# KiCad board serial-usbc-dip-7seg-clk.kicad_pcb (continued)
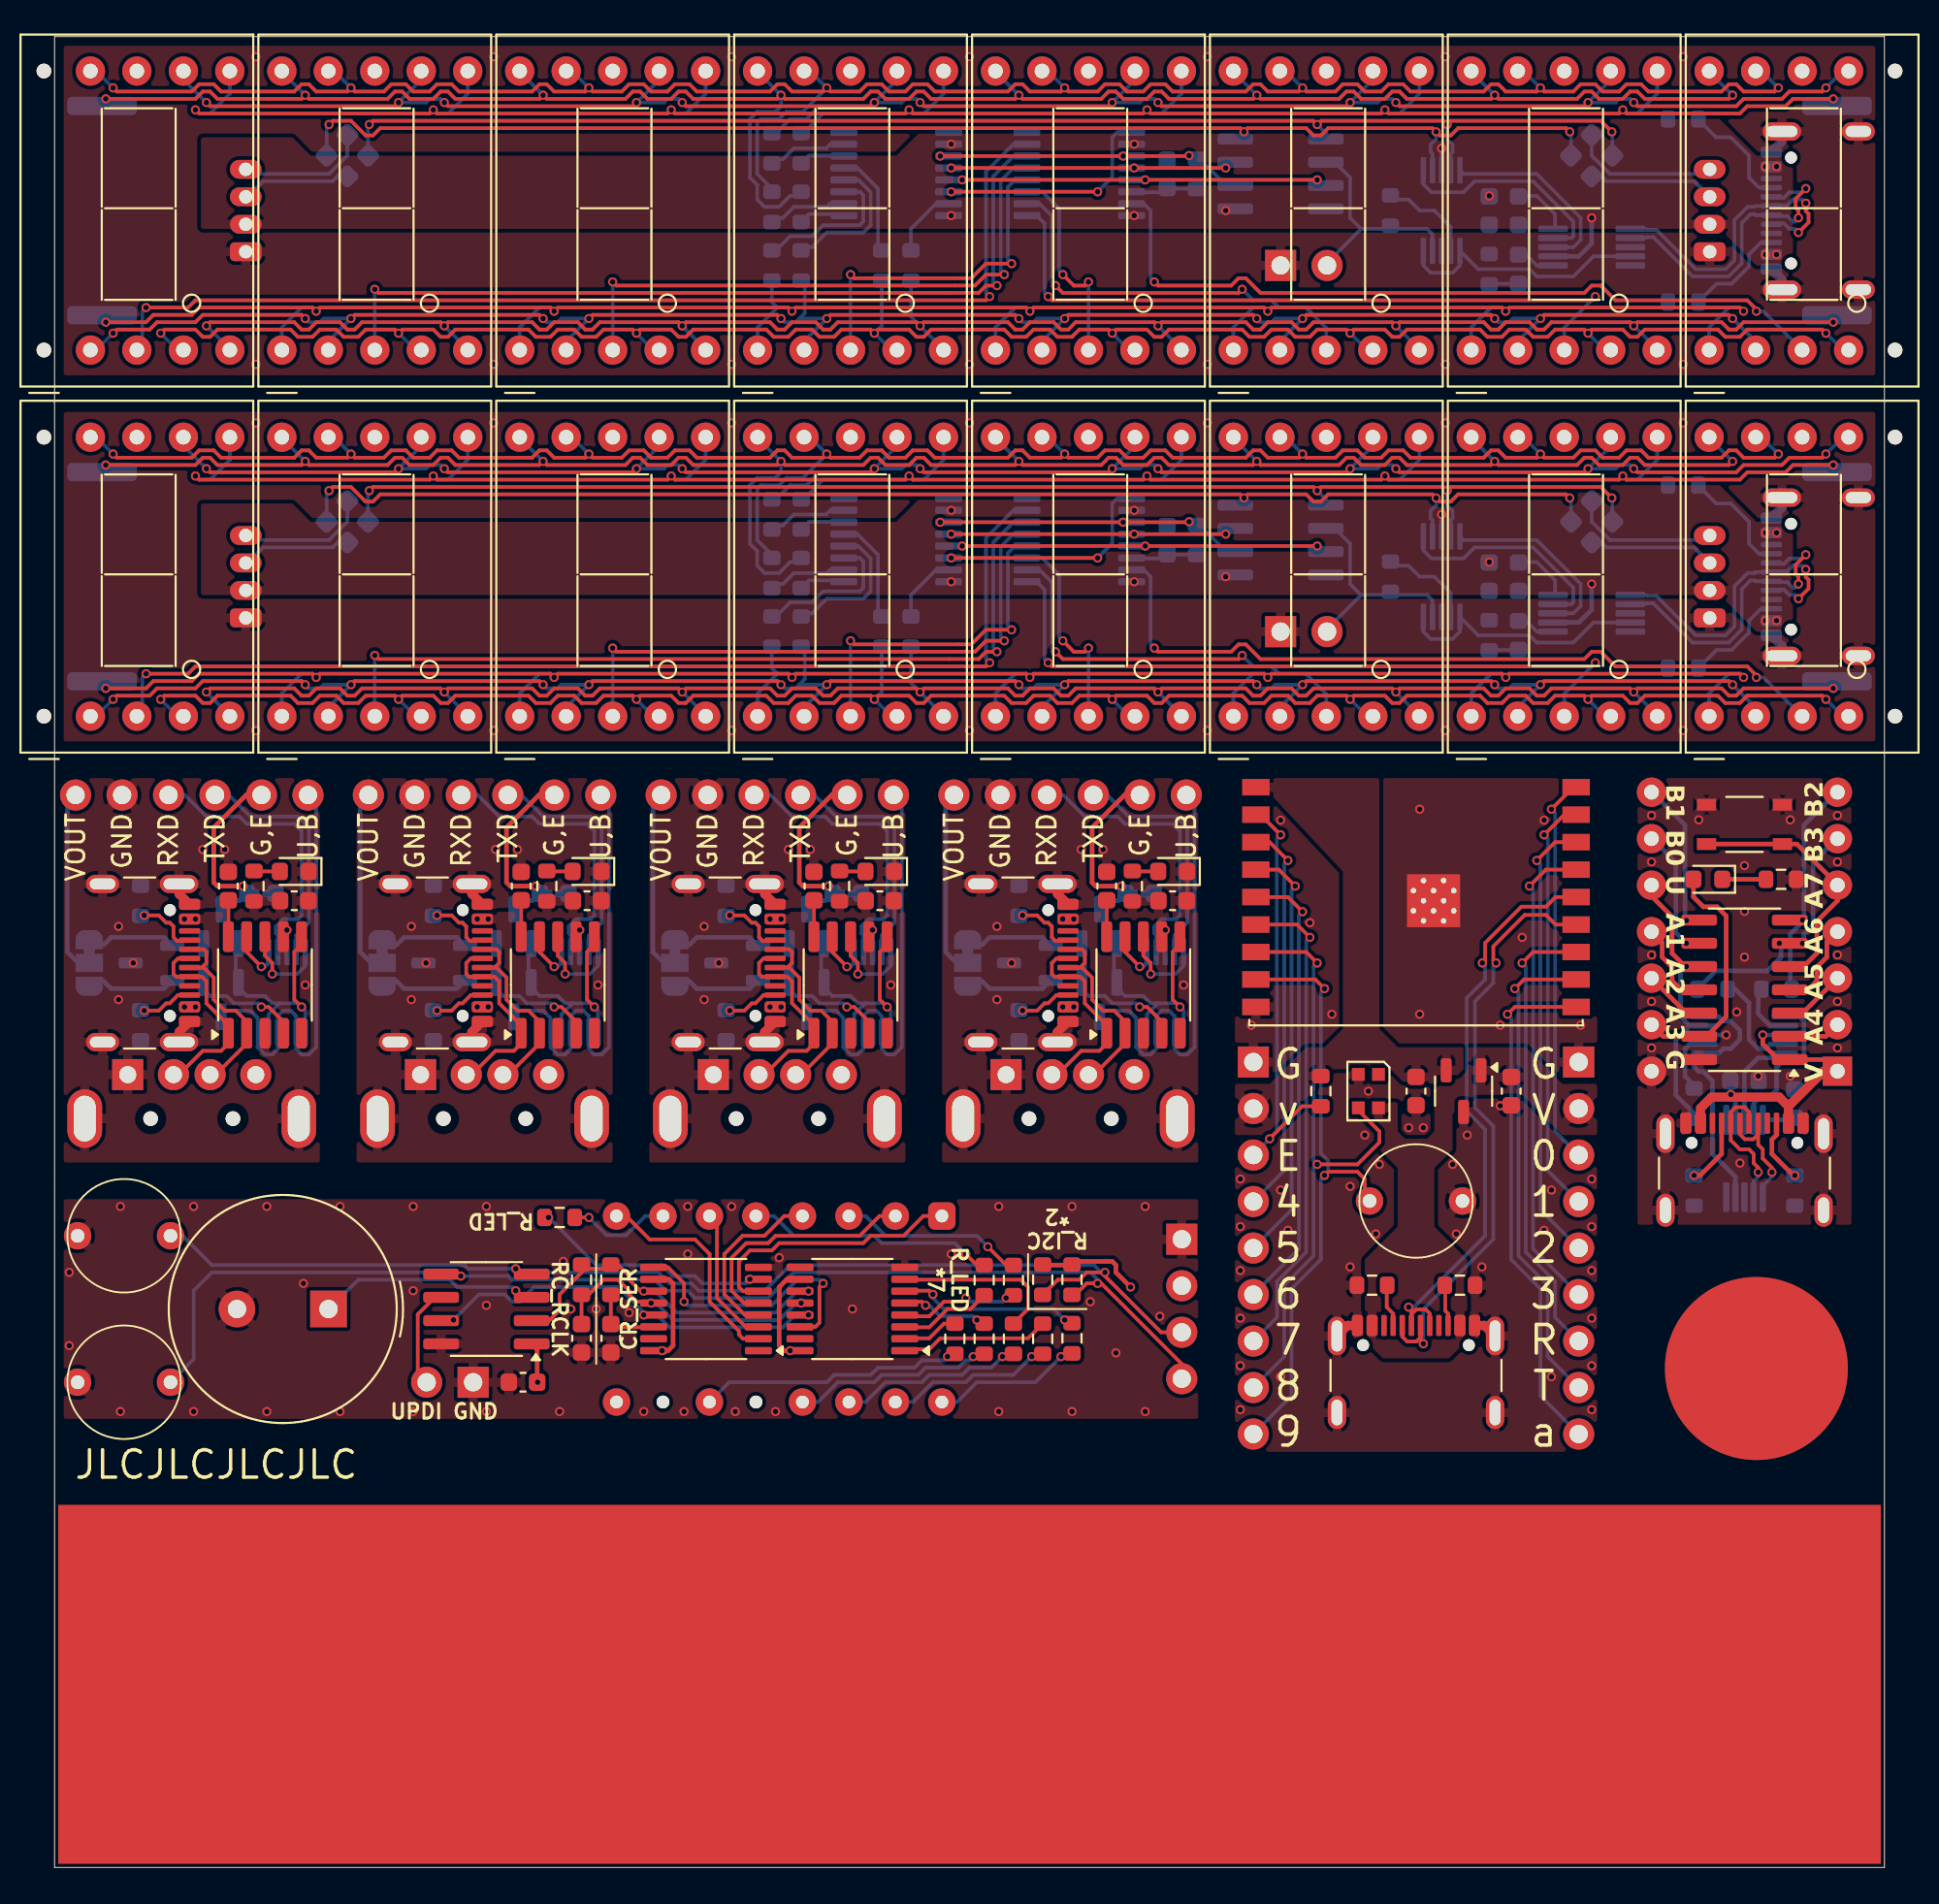
[diagram p0: board, top side]
## Routing (per net, layer and track width the routed paths; a pad name or vN(x,y) marks a point on that pad's centre or on a via; arc(x,y) is an arc through that point) (continued)
GND|EN: length 39.9
  Top w0.25: v1(42.3,53.6) 40.9,53.6 40.7,53.8 40.7,56.8 42.48,58.58 J3.2 ; J3#4.2 26.48,58.58 24.7,56.8 24.7,53.8 24.9,53.6 v1(26.3,53.6) ; v1(10.3,53.6) 8.9,53.6 8.7,53.8 8.7,56.8 10.48,58.58 J3#2.2 ; v1(58.3,53.6) 56.9,53.6 56.7,53.8 56.7,56.8 58.47,58.58 J3#3.2
  Bottom w0.25: Q1#3.3 9.1,52.6 9.3,52.8 10.1,52.8 10.5,53.2 10.52,53.2 ; Q1#2.3 57.1,52.6 57.3,52.8 58.1,52.8 58.5,53.2 C3#7.1 ; C3#2.1 26.5,53.2 26.1,52.8 25.3,52.8 25.1,52.6 Q1.3 ; C3#3.1 42.5,53.2 42.1,52.8 41.3,52.8 41.1,52.6 Q1#4.3
V3: length 7.9
  Top w0.2: U1#6.10 C2#5.1 ; U1#4.10 C2#4.1 ; U1#3.10 C2#2.1 ; U1#7.10 C2#3.1
VCC: length 73.4
  Top w0.25: J2#2.1 96.8,44.12 U1.1 94.19,44.12 93.35,44.97 v1(93.35,45.47) ; R11.1 54.03,32.9 55.58,32.9 R12.1 55.78,33.1 57.8,33.1 58,32.9 58,32.5 v1(58.8,31.7) ; v1(40.2,28.22) 39.86,28.22 39.6,28.48 39.6,31.7 40.02,32.12 U2#2.10 ; U3#2.16 33.52,28.22 33.8,28.5 33.8,31.9 33.58,32.12 U3#2.10 ; C3.1 26.38,28.3 U4.1
  Top w0.5: 94.75,41.57 J1#2.A9 ; 94.75,41.57 94.25,42.08 90.56,42.08 89.95,41.47 J1#2.A4 ; 94.75,41.57 96.67,43.49 J2#2.1 ; U1.1 94.27,44.12
  Bottom w0.25: 91.58,42.97 91.6,42.94 v1(91.6,42.22) 91.85,41.97 U2#4.7 ; JP3#2.1 2.2,50.4 2.7,50.4 3.1,50.8 5.99,50.8 U3#7.1 ; JP3#3.1 50.2,50.4 50.7,50.4 51.1,50.8 53.99,50.8 U3#5.1 ; U3#8.1 37.99,50.8 35.1,50.8 34.7,50.4 34.2,50.4 JP3#4.1 ; v1(93.35,45.47) U3#6.8 ; v1(84,70.1) 84,68.7 83.3,68 U12.7 ; U12#2.7 83.3,88 84,88.7 v1(84,90.1) ; U13#2.8 v1(75.8,73.9) ; v1(28.7,51.2) U2#7.8 ; U13.8 v1(75.8,93.9) ; v1(12.7,51.2) U2#6.8 ; U3#4.1 21.99,50.8 19.1,50.8 18.7,50.4 18.2,50.4 JP3.1 ; v1(44.7,51.2) U2#8.8 ; v1(60.7,51.2) U2#3.8
  vias: v1(7.1,51.8) v1(7.1,47) v1(7.7,51.8) v1(7.7,47) v1(23.1,51.8) v1(23.1,47) v1(23.7,51.8) v1(23.7,47) v1(26.4,26.5) v1(33.2,28.22) v1(39.1,51.8) v1(39.1,47) v1(39.7,51.8) v1(39.7,47) v1(49,94.12) v1(49,90.22) v1(49,74.12) v1(49,70.22) v1(55.1,51.8) v1(55.1,47) v1(55.7,51.8) v1(55.7,47) v1(59,94.12) v1(59,90.22) v1(59,74.12) v1(59,70.22) v1(64,90.5) v1(64,70.5) v1(78.4,91.3) v1(78.4,71.3) v1(93.5,92.9) v1(93.5,88.1) v1(93.5,72.9) v1(93.5,68.1) v1(94.1,92.9) v1(94.1,88.1) v1(94.1,72.9) v1(94.1,68.1)
/_A: length 8.7
  Bottom w0.2: 39.2,73.08 39.42,73.3 39.8,73.3 40.4,73.9 42.18,73.9 42.4,74.12 U2#9.7 ; R1#7.1 39.42,93.3 39.8,93.3 40.4,93.9 42.18,93.9 42.4,94.12 U2#5.7
/_B: length 5
  Bottom w0.2: U2#9.6 43.11,73.5 41.23,73.5 40.8,73.08 ; R2#7.1 41.23,93.5 43.11,93.5 U2#5.6
/_C: length 11.6
  Bottom w0.2: R3#9.1 45,88.53 45,91.7 43.88,92.83 U2#5.5 ; R3#8.1 45,68.53 45,71.7 43.88,72.83 U2#9.5
/_D: length 15.8
  Bottom w0.2: R4#3.1 40.98,88.5 41.4,88.5 42.2,89.3 44.2,89.3 44.6,89.7 44.6,91.5 43.92,92.17 U2#5.4 ; U2#9.4 43.92,72.17 44.6,71.5 44.6,69.7 44.2,69.3 42.2,69.3 41.4,68.5 40.98,68.5 R4#4.1
/_E: length 16.5
  Bottom w0.2: R5#3.1 39.42,68.33 40.2,69.1 41.4,69.1 42,69.7 44,69.7 44.2,69.9 44.2,71.33 44.01,71.53 U2#9.3 ; R5#4.1 39.42,88.33 40.2,89.1 41.4,89.1 42,89.7 44,89.7 44.2,89.9 44.2,91.33 44.01,91.53 U2#5.3
/_F: length 8.7
  Bottom w0.2: R6#3.1 39.42,70.1 39.8,70.1 40.4,70.7 42.2,70.7 42.38,70.88 U2#9.2 ; R6#2.1 39.42,90.1 39.8,90.1 40.4,90.7 42.2,90.7 42.38,90.88 U2#5.2
/_G: length 5.1
  Bottom w0.2: R7#3.1 41.23,90.3 43.06,90.3 U2#5.1 ; R7#2.1 41.23,70.3 43.06,70.3 U2#9.1
/_H: length 7.6
  Bottom w0.2: R8#2.1 46.8,69.5 48.17,70.88 U2#9.15 ; R8#3.1 46.8,89.5 48.17,90.88 U2#5.15
/_SEG1: length 9.2
  Top w0.2: R1#3.1 53.2,30.5 53.2,31.7 52.8,32.1 46.49,32.1 U2#2.7
/_SEG2: length 10
  Top w0.2: v1(55.2,29.9) 55.42,29.9 55.6,29.72 ; U2#2.6 46.49,31.5 47.8,31.5 v1(48,31.3)
  Bottom w0.2: v1(48,31.3) 48,31.1 48.6,30.5 54.6,30.5 v1(55.2,29.9)
/_SEG3: length 4.9
  Top w0.2: R3#5.1 50.6,29.9 v1(50.4,29.9) ; U2#2.5 46.54,30.9 47.4,30.9 v1(47.6,30.7)
  Bottom w0.2: v1(50.4,29.9) 50.2,30.1 48.4,30.1 47.8,30.7 v1(47.6,30.7)
/_SEG4: length 6.7
  Top w0.2: v1(49.8,31.1) 49.6,30.9 48.6,30.9 47.8,30.1 46.54,30.1 U2#2.4 ; R4.1 52.35,31.3 52.2,31.3 v1(52,31.1)
  Bottom w0.2: v1(49.8,31.1) 50,30.9 51.8,30.9 v1(52,31.1)
/_SEG5: length 5.1
  Top w0.2: U2#2.3 46.49,29.5 47.8,29.5 48.8,30.5 50.05,30.5 R5.1
/_SEG6: length 3.1
  Top w0.2: R6.1 48.6,29.7 47.8,28.9 46.49,28.9 U2#2.2
/_SEG7: length 8.1
  Top w0.2: U2#2.1 46.54,28.3 47.8,28.3 48.4,28.9 53.2,28.9 R7.1
/_SEG8: length 13.3
  Top w0.2: v1(38,32.12) U3#2.7 ; R8.1 v1(27,35.5)
  Bottom w0.2: v1(38,32.12) 37.77,31.9 35.4,31.9 35,32.3 33.8,32.3 33.2,32.9 29.6,32.9 v1(27,35.5)
/chain: length 25
  Top w0.2: v1(49,71.53) v1(57,71.53) ; v1(49,91.53) v1(57,91.53)
  Bottom w0.2: v1(57,71.53) 57.8,72.33 57.8,74.5 58.08,74.78 U1#8.9 ; v1(57,91.53) 57.8,92.33 57.8,94.5 58.08,94.78 U1#9.9
/TNOW: length 4.3
  Bottom w0.2: D3#2.2 80.41,68.09 81,67.5 U12.6 ; U12#2.6 81,87.5 80.41,88.09 D3.2
_RXD: length 12.2
  Top w0.2: v1(11.3,49.2) 10.5,50 U1#3.9 ; v1(59.3,49.2) 58.5,50 U1#7.9 ; v1(43.3,49.2) 42.5,50 U1#6.9 ; v1(27.3,49.2) 26.5,50 U1#4.9
  Bottom w0.2: v1(11.3,49.2) 11.5,49.2 11.7,49.4 U2#6.6 ; U2#8.6 43.7,49.4 43.5,49.2 v1(43.3,49.2) ; U2#7.6 27.7,49.4 27.5,49.2 v1(27.3,49.2) ; v1(59.3,49.2) 59.5,49.2 59.7,49.4 U2#3.6
_TXD: length 19.8
  Top w0.2: v1(59.9,48.8) 59.9,49.4 59.5,49.8 U1#7.8 ; U1#3.8 11.5,49.8 11.9,49.4 v1(11.9,48.8) ; v1(27.9,48.8) 27.9,49.4 27.5,49.8 U1#4.8 ; U1#6.8 43.5,49.8 43.9,49.4 v1(43.9,48.8)
  Bottom w0.2: U2#8.10 45.7,49.24 45.26,48.8 v1(43.9,48.8) ; U2#3.10 61.7,49.24 61.26,48.8 v1(59.9,48.8) ; U2#7.10 29.7,49.24 29.26,48.8 v1(27.9,48.8) ; v1(11.9,48.8) 13.26,48.8 13.7,49.24 U2#6.10
A: length 229.1
  Top w0.2: v1(70.8,96.4) 70.6,96.2 60.5,96.2 v1(60.3,96.4) ; v1(57.8,96.4) 57.6,96.2 47.5,96.2 v1(47.3,96.4) ; v1(83.8,76.4) 83.6,76.2 73.5,76.2 v1(73.3,76.4) ; v1(96.8,97.2) 96.6,97 94.8,97 94.4,96.6 92.3,96.6 91.9,96.2 86.5,96.2 v1(86.3,96.4) ; v1(8.3,96.4) 8.5,96.2 18.6,96.2 v1(18.8,96.4) ; v1(44.8,76.4) 44.6,76.2 34.5,76.2 v1(34.3,76.4) ; v1(31.8,76.4) 31.6,76.2 21.5,76.2 v1(21.3,76.4) ; v1(60.3,76.4) 60.5,76.2 70.6,76.2 v1(70.8,76.4) ; v1(18.8,76.4) 18.6,76.2 8.5,76.2 v1(8.3,76.4) ; v1(44.8,96.4) 44.6,96.2 34.5,96.2 v1(34.3,96.4) ; v1(47.3,76.4) 47.5,76.2 57.6,76.2 v1(57.8,76.4) ; v1(21.3,96.4) 21.5,96.2 31.6,96.2 v1(31.8,96.4) ; v1(83.8,96.4) 83.6,96.2 73.5,96.2 v1(73.3,96.4) ; v1(86.3,76.4) 86.5,76.2 91.9,76.2 92.3,76.6 94.4,76.6 94.8,77 96.6,77 v1(96.8,77.2)
  Bottom w0.2: v1(21.3,76.4) 21.1,76.6 20.5,76.6 20.3,76.4 v1(18.8,76.4) 20.04,77.64 U4#3.7 ; U8#2.7 72.04,77.64 v1(70.8,76.4) 72.3,76.4 72.5,76.6 73.1,76.6 v1(73.3,76.4) ; U4#2.7 20.04,97.64 v1(18.8,96.4) 20.3,96.4 20.5,96.6 21.1,96.6 v1(21.3,96.4) ; U6.7 46.04,77.64 v1(44.8,76.4) ; v1(86.3,96.4) 86.1,96.6 85.5,96.6 85.3,96.4 v1(83.8,96.4) 85.04,97.64 U9.7 ; U6#2.7 46.04,97.64 v1(44.8,96.4) ; v1(34.3,76.4) 34.1,76.6 33.5,76.6 33.3,76.4 v1(31.8,76.4) 33.04,77.64 U5#2.7 ; v1(96.8,77.2) 97.72,78.12 U10#2.7 ; v1(8.3,96.4) 7.04,97.66 U3.7 ; v1(44.8,96.4) 46.3,96.4 46.5,96.6 47.1,96.6 v1(47.3,96.4) ; v1(44.8,96.4) 44.6,96.2 41.8,96.2 41.1,95.5 40.2,95.5 39.42,94.72 R1#7.2 ; v1(44.8,76.4) 46.3,76.4 46.5,76.6 47.1,76.6 v1(47.3,76.4) ; v1(44.8,76.4) 44.6,76.2 41.8,76.2 41.1,75.5 40.2,75.5 39.42,74.72 R1#5.2 ; v1(8.3,76.4) 7.04,77.66 U3#3.7 ; U7.7 59.04,77.64 v1(57.8,76.4) 59.3,76.4 59.5,76.6 60.1,76.6 v1(60.3,76.4) ; U9#2.7 85.04,77.64 v1(83.8,76.4) 85.3,76.4 85.5,76.6 86.1,76.6 v1(86.3,76.4) ; v1(96.8,97.2) 97.72,98.12 U10.7 ; U5.7 33.04,97.64 v1(31.8,96.4) 33.3,96.4 33.5,96.6 34.1,96.6 v1(34.3,96.4) ; v1(73.3,96.4) 73.1,96.6 72.5,96.6 72.3,96.4 v1(70.8,96.4) 72.04,97.64 U8.7 ; U7#2.7 59.04,97.64 v1(57.8,96.4) 59.3,96.4 59.5,96.6 60.1,96.6 v1(60.3,96.4)
B: length 245.8
  Top w0.2: v1(97.2,76.6) 95,76.6 94.6,76.2 92.5,76.2 92.1,75.8 85.9,75.8 v1(85.7,76) 85.5,75.8 72.9,75.8 v1(72.7,76) 72.5,75.8 59.9,75.8 v1(59.7,76) 59.5,75.8 46.9,75.8 v1(46.7,76) 46.5,75.8 33.9,75.8 v1(33.7,76) 33.5,75.8 20.9,75.8 v1(20.7,76) 20.5,75.8 7.9,75.8 v1(7.7,76) ; v1(97.2,96.6) 95,96.6 94.6,96.2 92.5,96.2 92.1,95.8 85.9,95.8 v1(85.7,96) 85.5,95.8 72.9,95.8 v1(72.7,96) 72.5,95.8 59.9,95.8 v1(59.7,96) 59.5,95.8 46.9,95.8 v1(46.7,96) 46.5,95.8 33.9,95.8 v1(33.7,96) 33.5,95.8 20.9,95.8 v1(20.7,96) 20.5,95.8 7.9,95.8 v1(7.7,96)
  Bottom w0.2: v1(85.7,76) 85.9,75.8 86.5,75.8 87.58,76.88 U9#2.6 ; U7#2.6 61.58,96.88 60.5,95.8 59.9,95.8 v1(59.7,96) ; v1(85.7,96) 85.9,95.8 86.5,95.8 87.58,96.88 U9.6 ; U8.6 74.58,96.88 73.5,95.8 72.9,95.8 v1(72.7,96) ; v1(20.7,76) 20.9,75.8 21.5,75.8 22.58,76.88 U4#3.6 ; U5.6 35.58,96.88 34.5,95.8 33.9,95.8 v1(33.7,96) ; v1(7.7,76) 7.9,75.8 8.5,75.8 9.58,76.88 U3#3.6 ; U8#2.6 74.58,76.88 73.5,75.8 72.9,75.8 v1(72.7,76) ; U5#2.6 35.58,76.88 34.5,75.8 33.9,75.8 v1(33.7,76) ; v1(59.7,76) 59.9,75.8 60.5,75.8 61.58,76.88 U7.6 ; U3.6 9.58,96.88 8.5,95.8 7.9,95.8 v1(7.7,96) ; U4#2.6 22.58,96.88 21.5,95.8 20.9,95.8 v1(20.7,96) ; U6.6 48.58,76.88 47.5,75.8 46.9,75.8 v1(46.7,76) 46.5,75.8 42,75.8 40.92,74.72 R2#8.2 ; R2#7.2 40.92,94.72 42,95.8 46.5,95.8 v1(46.7,96) 46.9,95.8 47.5,95.8 48.58,96.88 U6#2.6
C: length 229.6
  Top w0.2: v1(96.8,63.8) 96.6,64 92.5,64 92.1,63.6 91.3,63.6 90.9,64 86.9,64 86.5,63.6 86.1,63.6 85.7,64 84,64 v1(83.8,63.8) 83.6,64 82,64 81.6,63.6 80.8,63.6 80.4,64 79.5,64 79.1,63.6 78.3,63.6 77.9,64 73.9,64 73.5,63.6 73.1,63.6 72.7,64 71,64 v1(70.8,63.8) 70.6,64 69,64 68.6,63.6 67.8,63.6 67.4,64 66.5,64 66.1,63.6 65.3,63.6 64.9,64 60.9,64 60.5,63.6 60.1,63.6 59.7,64 58,64 v1(57.8,63.8) 57.6,64 56,64 55.6,63.6 54.8,63.6 54.4,64 53.5,64 53.1,63.6 52.3,63.6 51.9,64 47.9,64 47.5,63.6 47.1,63.6 46.7,64 45,64 v1(44.8,63.8) 44.6,64 43,64 42.6,63.6 41.8,63.6 41.4,64 40.5,64 40.1,63.6 39.3,63.6 38.9,64 34.9,64 34.5,63.6 34.1,63.6 33.7,64 32,64 v1(31.8,63.8) 31.6,64 30,64 29.6,63.6 28.8,63.6 28.4,64 27.5,64 27.1,63.6 26.3,63.6 25.9,64 21.9,64 21.5,63.6 21.1,63.6 20.7,64 19,64 v1(18.8,63.8) 18.6,64 17,64 16.6,63.6 15.8,63.6 15.4,64 14.5,64 14.1,63.6 13.3,63.6 12.9,64 8.9,64 8.5,63.6 8.1,63.6 7.7,64 6,64 v1(5.8,63.8) ; v1(96.8,83.8) 96.6,84 92.5,84 92.1,83.6 91.3,83.6 90.9,84 86.9,84 86.5,83.6 86.1,83.6 85.7,84 84,84 v1(83.8,83.8) 83.6,84 82,84 81.6,83.6 80.8,83.6 80.4,84 79.5,84 79.1,83.6 78.3,83.6 77.9,84 73.9,84 73.5,83.6 73.1,83.6 72.7,84 71,84 v1(70.8,83.8) 70.6,84 69,84 68.6,83.6 67.8,83.6 67.4,84 66.5,84 66.1,83.6 65.3,83.6 64.9,84 60.9,84 60.5,83.6 60.1,83.6 59.7,84 58,84 v1(57.8,83.8) 57.6,84 56,84 55.6,83.6 54.8,83.6 54.4,84 53.5,84 53.1,83.6 52.3,83.6 51.9,84 47.9,84 47.5,83.6 47.1,83.6 46.7,84 45,84 v1(44.8,83.8) 44.6,84 43,84 42.6,83.6 41.8,83.6 41.4,84 40.5,84 40.1,83.6 39.3,83.6 38.9,84 34.9,84 34.5,83.6 34.1,83.6 33.7,84 32,84 v1(31.8,83.8) 31.6,84 30,84 29.6,83.6 28.8,83.6 28.4,84 27.5,84 27.1,83.6 26.3,83.6 25.9,84 21.9,84 21.5,83.6 21.1,83.6 20.7,84 19,84 v1(18.8,83.8) 18.6,84 17,84 16.6,83.6 15.8,83.6 15.4,84 14.5,84 14.1,83.6 13.3,83.6 12.9,84 8.9,84 8.5,83.6 8.1,83.6 7.7,84 6,84 v1(5.8,83.8)
  Bottom w0.2: U3.4 6.72,82.88 v1(5.8,83.8) ; v1(70.8,83.8) 71.72,82.88 U8.4 ; U9#2.4 84.72,62.88 v1(83.8,63.8) ; v1(96.8,63.8) 97.72,62.88 U10#2.4 ; U4#3.4 19.72,62.88 v1(18.8,63.8) ; v1(70.8,63.8) 71.72,62.88 U8#2.4 ; R3#8.2 45.2,64.2 v1(44.8,63.8) 45.72,62.88 U6.4 ; v1(57.8,63.8) 58.72,62.88 U7.4 ; U7#2.4 58.72,82.88 v1(57.8,83.8) ; v1(18.8,83.8) 19.72,82.88 U4#2.4 ; U5.4 32.72,82.88 v1(31.8,83.8) ; U9.4 84.72,82.88 v1(83.8,83.8) ; v1(96.8,83.8) 97.72,82.88 U10.4 ; U3#3.4 6.72,62.88 v1(5.8,63.8) ; U5#2.4 32.72,62.88 v1(31.8,63.8) ; R3#9.2 45.2,84.2 v1(44.8,83.8) 45.72,82.88 U6#2.4
C0: length 117.3
  Top w0.2: v1(5,85.2) 7.3,85.2 7.7,85.6 46.1,85.6 50.9,85.6 v1(51.1,85.8) ; v1(51.1,65.8) 50.9,65.6 46.1,65.6 7.7,65.6 7.3,65.2 v1(5,65.2)
  Bottom w0.2: U1#9.7 52.4,94.12 50.9,92.62 50.9,86 v1(51.1,85.8) ; v1(51.1,65.8) 50.9,66 50.9,72.62 52.4,74.12 U1#8.7 ; U3#3.3 4.8,63.18 4.8,65 v1(5,65.2) ; v1(5,85.2) 4.8,85 4.8,83.18 U3.3
C1: length 91.8
  Top w0.2: v1(51.5,66.4) 50.9,66.4 50.5,66 17.7,66 v1(17.5,66.2) ; v1(51.5,86.4) 50.9,86.4 50.5,86 17.7,86 v1(17.5,86.2)
  Bottom w0.2: v1(51.5,66.4) 51.3,66.6 51.3,72.37 52.4,73.47 U1#8.6 ; v1(51.5,86.4) 51.3,86.6 51.3,92.37 52.4,93.47 U1#9.6 ; v1(17.5,66.2) U4#3.3 ; v1(17.5,86.2) U4#2.3
C2: length 64.8
  Top w0.2: v1(30.5,86.6) 30.7,86.4 50.3,86.4 50.9,87 v1(51.9,87) ; v1(51.9,67) 50.9,67 50.3,66.4 30.7,66.4 v1(30.5,66.6)
  Bottom w0.2: v1(51.9,87) 51.7,87.2 51.7,92.12 52.4,92.83 U1#9.5 ; U1#8.5 52.4,72.83 51.7,72.12 51.7,67.2 v1(51.9,67) ; v1(30.5,66.6) U5#2.3 ; v1(30.5,86.6) U5.3
C3: length 37.6
  Top w0.2: v1(43.5,67) 43.7,66.8 50.1,66.8 50.9,67.6 v1(52.3,67.6) ; v1(52.3,87.6) 50.9,87.6 50.1,86.8 43.7,86.8 v1(43.5,87)
  Bottom w0.2: U1#9.4 52.48,92.17 52.1,91.79 52.1,87.8 v1(52.3,87.6) ; v1(43.5,67) U6.3 ; U1#8.4 52.48,72.17 52.1,71.79 52.1,67.8 v1(52.3,67.6) ; v1(43.5,87) U6#2.3
C4: length 22.6
  Top w0.2: v1(56.5,66.6) 56.3,66.4 55.7,66.4 v1(55.1,67) ; v1(56.5,86.6) 56.3,86.4 55.7,86.4 v1(55.1,87)
  Bottom w0.2: v1(55.1,87) 54.9,87.2 54.9,90.6 53.97,91.53 U1#9.3 ; v1(56.5,66.6) U7.3 ; v1(56.5,86.6) U7#2.3 ; v1(55.1,67) 54.9,67.2 54.9,70.6 53.97,71.53 U1#8.3
C5: length 45.3
  Top w0.2: v1(64.9,66.2) 64.7,66 55.1,66 v1(54.7,66.4) ; v1(54.7,86.4) 55.1,86 64.7,86 v1(64.9,86.2)
  Bottom w0.2: U8.3 69.5,84.08 68.38,85.2 66.9,85.2 66.5,85.6 65.5,85.6 v1(64.9,86.2) ; U8#2.3 69.5,64.08 68.38,65.2 66.9,65.2 66.5,65.6 65.5,65.6 v1(64.9,66.2) ; v1(54.7,86.4) 54.5,86.6 54.5,90.2 53.83,90.88 U1#9.2 ; U1#8.2 53.83,70.88 54.5,70.2 54.5,66.6 v1(54.7,66.4)
C6: length 77.8
  Top w0.2: v1(84.2,85.8) 84,85.6 54.5,85.6 v1(54.3,85.8) ; v1(84.2,65.8) 84,65.6 54.5,65.6 v1(54.3,65.8)
  Bottom w0.2: v1(54.3,65.8) 54.1,66 54.1,69.8 53.67,70.22 U1#8.1 ; v1(54.3,85.8) 54.1,86 54.1,89.8 53.67,90.22 U1#9.1 ; U9#2.3 82.5,64.1 v1(84.2,65.8) ; v1(84.2,85.8) 82.5,84.1 U9.3
C7: length 85.7
  Top w0.2: v1(60.1,66.6) 60.3,66.4 64.3,66.4 64.7,66.8 65.1,66.8 65.9,66 83.6,66 84,66.4 84.5,66.4 85.3,65.6 92.5,65.6 93,65.1 v1(93,65) ; v1(60.1,86.6) 60.3,86.4 64.3,86.4 64.7,86.8 65.1,86.8 65.9,86 83.6,86 84,86.4 84.5,86.4 85.3,85.6 92.5,85.6 93,85.1 v1(93,85)
  Bottom w0.2: U1#9.15 59.52,90.88 59.9,90.49 59.9,86.8 v1(60.1,86.6) ; v1(93,85) 93.38,85 U10.3 ; v1(93,65) 93.38,65 U10#2.3 ; U1#8.15 59.52,70.88 59.9,70.49 59.9,66.8 v1(60.1,66.6)
chain: length 14.8
  Top w0.2: v1(34.4,30.9) 34.4,31.9 33.53,32.78 U3#2.9 ; v1(42,31.9) 41.8,31.7 41.8,29.75 41.58,29.53 U2#2.14
  Bottom w0.2: v1(42,31.9) 41.8,32.1 40.6,32.1 39.2,30.7 34.6,30.7 v1(34.4,30.9)
D: length 221.1
  Top w0.2: v1(52.7,84.6) 52.5,84.8 42.4,84.8 v1(42.2,84.6) ; v1(29.2,64.6) 29.4,64.8 39.5,64.8 v1(39.7,64.6) ; v1(91.7,64.6) 91.5,64.8 81.4,64.8 v1(81.2,64.6) ; v1(16.2,64.6) 16.4,64.8 26.5,64.8 v1(26.7,64.6) ; v1(78.7,84.6) 78.5,84.8 68.4,84.8 v1(68.2,84.6) ; v1(29.2,84.6) 29.4,84.8 39.5,84.8 v1(39.7,84.6) ; v1(55.2,84.6) 55.4,84.8 65.5,84.8 v1(65.7,84.6) ; v1(91.7,84.6) 91.5,84.8 81.4,84.8 v1(81.2,84.6) ; v1(16.2,84.6) 16.4,84.8 26.5,84.8 v1(26.7,84.6) ; v1(3.2,83.8) 3.4,84 5.2,84 5.6,84.4 7.7,84.4 8.1,84.8 13.5,84.8 v1(13.7,84.6) ; v1(78.7,64.6) 78.5,64.8 68.4,64.8 v1(68.2,64.6) ; v1(65.7,64.6) 65.5,64.8 55.4,64.8 v1(55.2,64.6) ; v1(42.2,64.6) 42.4,64.8 52.5,64.8 v1(52.7,64.6) ; v1(3.2,63.8) 3.4,64 5.2,64 5.6,64.4 7.7,64.4 8.1,64.8 13.5,64.8 v1(13.7,64.6)
  Bottom w0.2: U5#2.2 27.96,63.36 v1(29.2,64.6) 27.7,64.6 27.5,64.4 26.9,64.4 v1(26.7,64.6) ; U8.2 66.96,83.36 v1(68.2,84.6) 66.7,84.6 66.5,84.4 65.9,84.4 v1(65.7,84.6) ; v1(13.7,64.6) 13.9,64.4 14.5,64.4 14.7,64.6 v1(16.2,64.6) 14.96,63.36 U4#3.2 ; U9#2.2 79.96,63.36 v1(81.2,64.6) 79.7,64.6 79.5,64.4 78.9,64.4 v1(78.7,64.6) ; 40.7,84.6 v1(42.2,84.6) 40.96,83.36 U6#2.2 ; 40.7,84.6 40.5,84.4 39.9,84.4 v1(39.7,84.6) ; 40.7,84.6 41,84.9 41,86.47 R4#3.2 ; v1(13.7,84.6) 13.9,84.4 14.5,84.4 14.7,84.6 v1(16.2,84.6) 14.96,83.36 U4#2.2 ; v1(91.7,84.6) 92.96,83.34 U10.2 ; R4#4.2 41,66.47 41,64.9 40.7,64.6 ; v1(3.2,63.8) 2.28,62.88 U3#3.2 ; U7.2 53.96,63.36 v1(55.2,64.6) 53.7,64.6 53.5,64.4 52.9,64.4 v1(52.7,64.6) ; 40.7,64.6 40.5,64.4 39.9,64.4 v1(39.7,64.6) ; 40.7,64.6 v1(42.2,64.6) 40.96,63.36 U6.2 ; v1(26.7,84.6) 26.9,84.4 27.5,84.4 27.7,84.6 v1(29.2,84.6) 27.96,83.36 U5.2 ; U10#2.2 92.96,63.34 v1(91.7,64.6) ; U3.2 2.28,82.88 v1(3.2,83.8) ; U9.2 79.96,83.36 v1(81.2,84.6) 79.7,84.6 79.5,84.4 78.9,84.4 v1(78.7,84.6) ; U7#2.2 53.96,83.36 v1(55.2,84.6) 53.7,84.6 53.5,84.4 52.9,84.4 v1(52.7,84.6) ; v1(65.7,64.6) 65.9,64.4 66.5,64.4 66.7,64.6 v1(68.2,64.6) 66.96,63.36 U8#2.2
D+: length 117.3
  Top w0.2: v1(95.3,89.3) 95.85,89.85 95.85,90.33 95.7,90.48 v1(95.7,90.9) ; v1(95.3,69.3) 95.85,69.85 95.85,70.33 95.7,70.48 v1(95.7,70.9) ; J1.3 54.8,43.3 56.1,44.6 57.1,44.6 57.5,45 U1#7.1 57.5,46 56.3,47.2 56.3,48.4 56.05,48.65 J2#3.B6 54.65,48.65 54.5,48.8 54.5,49.4 54.75,49.65 J2#3.A6 ; J1#2.A6 92.1,40.04 92.37,39.78 92.83,39.78 93.1,40.04 J1#2.B6 ; J2#4.A6 38.75,49.65 38.5,49.4 38.5,48.8 38.65,48.65 J2#4.B6 40.05,48.65 40.3,48.4 40.3,47.2 41.5,46 U1#6.1 41.5,45 41.1,44.6 40.1,44.6 38.8,43.3 J1#3.3 ; J2#5.A6 22.75,49.65 22.5,49.4 22.5,48.8 22.65,48.65 J2#5.B6 24.05,48.65 24.3,48.4 24.3,47.2 25.5,46 U1#4.1 25.5,45 25.1,44.6 24.1,44.6 22.8,43.3 J1#4.3 ; v1(93.85,37.97) 93.85,38.22 93.35,38.72 93.35,39.22 93.1,39.47 93.1,40.01 ; v1(78.03,49.4) 78.17,49.55 78.17,50.49 80.16,52.47 81.5,52.47 82.02,53 U1#2.14 ; v1(74,30.6) 74.15,30.45 J1#6.A6 74.15,30.21 74.42,30.48 74.92,30.48 75.15,30.25 J1#6.B6 ; J1#5.3 6.8,43.3 8.1,44.6 9.1,44.6 9.5,45 U1#3.1 9.5,46 8.3,47.2 8.3,48.4 8.05,48.65 J2.B6 6.65,48.65 6.5,48.8 6.5,49.4 6.75,49.65 J2.A6
  Bottom w0.2: v1(95.7,90.9) 95.5,91.1 95,91.1 94.7,90.8 93.87,90.8 J4.A6 92.96,90.75 92.91,90.7 92.52,90.7 91.8,89.98 91.8,87.78 91.32,87.3 89.68,87.3 87.53,89.45 87.03,89.45 87,89.48 86.77,89.48 86.75,89.5 U12#2.1 ; v1(93.85,37.97) 93.85,37.72 93.35,37.22 U2#4.1 ; v1(95.3,69.3) 95.1,69.5 94.8,69.5 94.5,69.8 93.87,69.8 J4#2.B6 ; J4.B6 93.87,89.8 94.5,89.8 94.8,89.5 95.1,89.5 v1(95.3,89.3) ; U12.1 86.75,69.5 86.77,69.48 87,69.48 87.03,69.45 87.53,69.45 89.68,67.3 91.32,67.3 91.8,67.78 91.8,69.98 92.52,70.7 92.91,70.7 92.96,70.75 J4#2.A6 93.87,70.8 94.7,70.8 95,71.1 95.5,71.1 v1(95.7,70.9) ; v1(78.03,49.4) 78.17,49.25 78.17,48.49 77.17,47.49 77.17,41.31 78.17,40.31 78.17,34.49 74.28,30.6 v1(74,30.6)
D-: length 121
  Top w0.2: v1(74.8,28.6) 74.65,28.75 J1#6.A7 74.65,28.95 74.42,28.72 73.92,28.72 73.65,28.99 J1#6.B7 ; J1#4.2 24.8,43.3 26.5,45 U1#4.2 26.5,46.2 25.9,46.8 25.3,46.8 24.7,47.4 24.7,48.6 24.15,49.15 J2#5.A7 24.05,49.15 24.3,49.4 24.3,50 24.15,50.15 J2#5.B7 ; v1(93.1,37.97) 93.1,38.22 92.85,38.47 92.85,38.97 92.6,39.22 92.1,39.22 91.6,39.72 J1#2.B7 91.6,41.26 91.87,41.53 92.33,41.53 92.6,41.26 J1#2.A7 ; v1(95.7,71.7) 95.15,71.15 95.15,70.65 95.3,70.5 v1(95.3,70.1) ; U1#2.13 82.02,51.5 81.5,52.03 80.34,52.03 78.62,50.31 78.62,49.55 v1(78.78,49.4) ; v1(95.7,91.7) 95.15,91.15 95.15,90.65 95.3,90.5 v1(95.3,90.1) ; J1#3.2 40.8,43.3 42.5,45 U1#6.2 42.5,46.2 41.9,46.8 41.3,46.8 40.7,47.4 40.7,48.6 40.15,49.15 J2#4.A7 40.05,49.15 40.3,49.4 40.3,50 40.15,50.15 J2#4.B7 ; J2.B7 8.15,50.15 8.3,50 8.3,49.4 8.05,49.15 J2.A7 8.15,49.15 8.7,48.6 8.7,47.4 9.3,46.8 9.9,46.8 10.5,46.2 U1#3.2 10.5,45 8.8,43.3 J1#5.2 ; J2#3.B7 56.15,50.15 56.3,50 56.3,49.4 56.05,49.15 J2#3.A7 56.15,49.15 56.7,48.6 56.7,47.4 57.3,46.8 57.9,46.8 58.5,46.2 U1#7.2 58.5,45 56.8,43.3 J1.2
  Bottom w0.2: v1(95.3,90.1) 95.1,89.9 95,89.9 94.7,90.2 93.87,90.2 J4.A7 92.96,90.25 92.91,90.3 92.68,90.3 92.2,89.82 92.2,87.62 91.48,86.9 89.52,86.9 87.37,89.05 87.03,89.05 87,89.02 86.77,89.02 86.75,89 U12#2.2 ; J4#2.B7 93.87,71.2 94.5,71.2 94.8,71.5 95.5,71.5 v1(95.7,71.7) ; v1(95.3,70.1) 95.1,69.9 95,69.9 94.7,70.2 93.87,70.2 J4#2.A7 92.96,70.25 92.91,70.3 92.68,70.3 92.2,69.82 92.2,67.62 91.48,66.9 89.52,66.9 87.37,69.05 87.03,69.05 87,69.02 86.77,69.02 86.75,69 U12.2 ; v1(93.1,37.97) 93.1,37.72 92.85,37.47 U2#4.2 ; J4.B7 93.87,91.2 94.5,91.2 94.8,91.5 95.5,91.5 v1(95.7,91.7) ; v1(74.8,28.6) 74.8,30.48 78.62,34.31 78.62,40.49 77.62,41.49 77.62,47.31 78.63,48.31 78.63,49.25 v1(78.78,49.4)
